# Altium PCB BW1098OAK.PcbDoc (part 3 of 3) (continued)
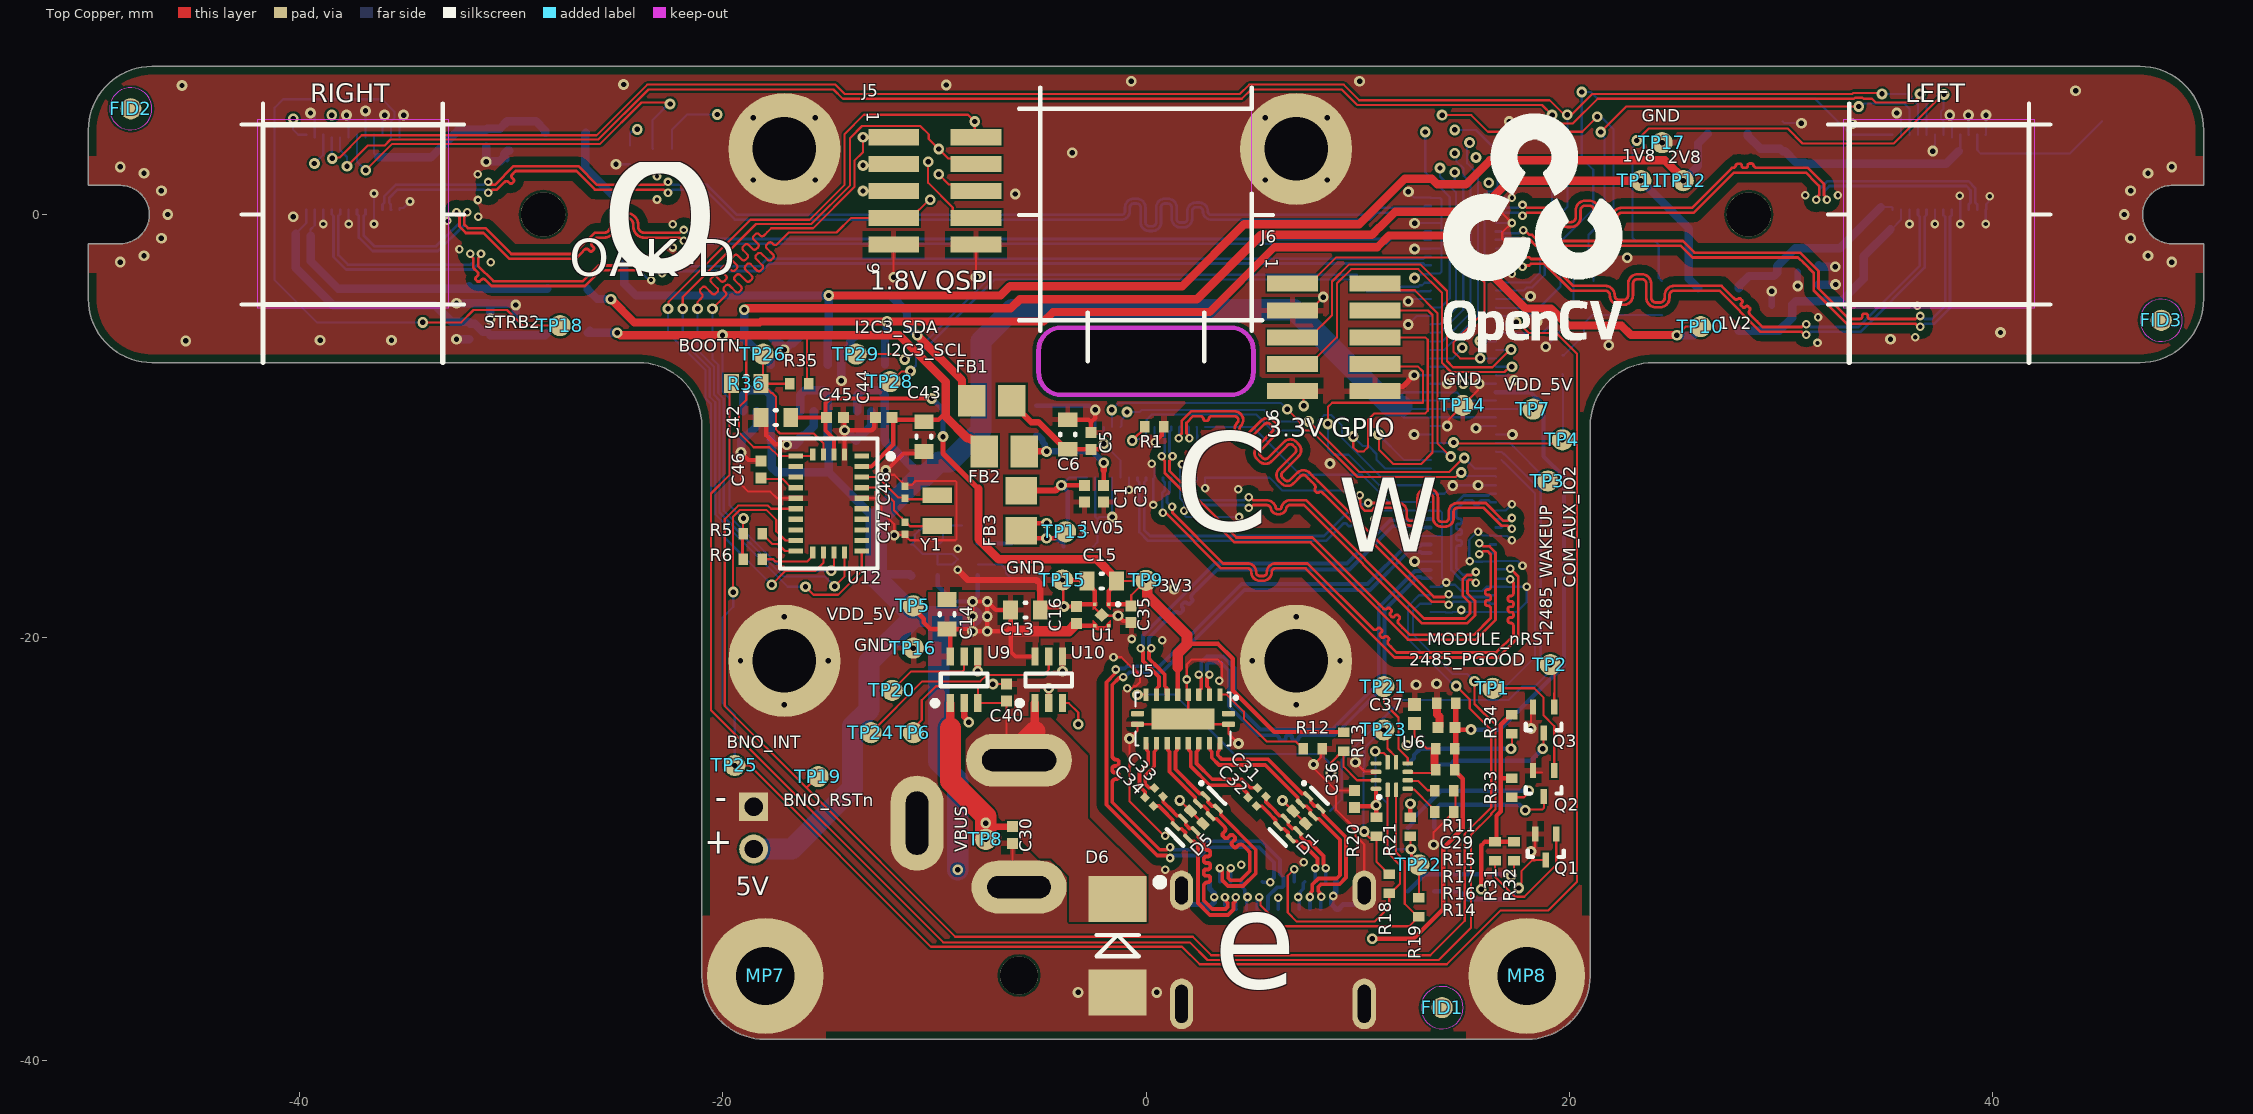
[diagram p0: Top Copper view]
## Nets (pads, with @x,y where several pads share a name; then routed paths per layer and width w, separated by ;. In a path a pad name is that pad's centre, name@x,y a point inside that pad or via, vN(x,y) a via of type N, cw(c..) or ccw(c..) an arc to the next point about the centre after c; other vN are vias at no path point) (continued)
TXB1_N: C32.2 U5.16 | length 4.6
  Top Copper w0.178: U5.16@2,-25 2.036,-25.036 2.036,-25.324 2.11,-25.398 2.11,-26.078 3.016,-26.983 4.412,-26.983 4.805,-27.376 4.805,-27.554 C32.2@4.819,-27.568
TXB1_P: C31.2 U5.17 | length 4.4
  Top Copper w0.178: U5.17@2.5,-25 2.464,-25.036 2.464,-25.324 2.39,-25.398 2.39,-25.962 3.131,-26.704 4.53,-26.704 4.933,-27.106 5.152,-27.106 5.155,-27.104 5.255,-27.104 C31.2@5.269,-27.118
TXB_N: C32.1 D1.5 D1.6 J10.A3 | length 5.3
  Top Copper w0.178: C32.1@5.215,-27.964 5.23,-27.978 5.33,-27.978 5.332,-27.976 5.48,-27.976 5.851,-28.347 5.851,-28.359 6.119,-28.627 6.119,-28.783 6.377,-29.041 6.523,-29.041 6.528,-29.036 6.714,-29.222 6.709,-29.227 6.709,-29.373 6.967,-29.631 7.123,-29.631 7.443,-29.951 7.612,-29.951 8.11,-30.449 8.11,-30.724 7.996,-30.838 v2(7.996,-30.9)
  Bottom Layer w0.178: v2(7.996,-30.9) 8,-30.904 J10.A3@8,-31.55
TXB_P: C31.1 D1.4 D1.7 J10.A2 | length 5.5
  Top Copper w0.178: C31.1@5.665,-27.514 5.68,-27.528 5.68,-27.629 5.677,-27.631 5.677,-27.778 6.13,-28.231 6.13,-28.243 6.316,-28.429 6.472,-28.429 6.73,-28.687 6.73,-28.833 6.725,-28.838 6.912,-29.025 6.917,-29.02 7.063,-29.02 7.321,-29.278 7.321,-29.434 7.559,-29.672 7.728,-29.672 8.39,-30.333 8.39,-30.724 8.504,-30.838 v2(8.504,-30.9)
  Bottom Layer w0.178: J10.A2@8.5,-31.55 8.5,-30.904 v2(8.504,-30.9)
TXC1_N: C34.2 U5.12 | length 2.9
  Top Copper w0.178: C34.2@-0.039,-27.56 -0.053,-27.545 -0.053,-27.445 -0.051,-27.443 -0.051,-27.295 -0.311,-27.036 -0.311,-26.393 0.11,-25.972 0.11,-25.398 0.036,-25.324 0.036,-25.036 U5.12@0,-25
TXC1_P: C33.2 U5.13 | length 2.7
  Top Copper w0.178: C33.2@0.411,-27.11 0.397,-27.095 0.296,-27.095 0.294,-27.098 0.147,-27.098 -0.031,-26.92 -0.031,-26.509 0.39,-26.088 0.39,-25.398 0.464,-25.324 0.464,-25.036 U5.13@0.5,-25
TXC_N: C34.1 D5.5 D5.6 J10.B3 | length 9.1
  Top Copper w0.178: C34.1@0.357,-27.956 0.371,-27.97 0.472,-27.97 0.474,-27.967 0.621,-27.967 0.996,-28.343 0.996,-28.355 1.269,-28.627 1.269,-28.783 1.527,-29.041 1.673,-29.041 1.678,-29.036 1.864,-29.222 1.859,-29.227 1.859,-29.373 2.117,-29.631 2.273,-29.631 2.454,-29.813 2.454,-32.555 3.019,-33.119 3.872,-33.119 4.14,-32.851 4.14,-32.541 4.206,-32.474 4.206,-32.31 4.233,-32.283 v2(4.242,-32.283)
  Bottom Layer w0.178: v2(4.242,-32.283) 4.242,-32.722 4.182,-32.782 J10.B3@4.25,-32.85
TXC_P: C33.1 D5.4 D5.7 J10.B2 | length 9.7
  Top Copper w0.178: C33.1@0.807,-27.506 0.821,-27.52 0.821,-27.62 0.819,-27.623 0.819,-27.77 1.276,-28.227 1.276,-28.239 1.466,-28.429 1.622,-28.429 1.88,-28.687 1.88,-28.833 1.875,-28.838 2.062,-29.025 2.067,-29.02 2.213,-29.02 2.471,-29.278 2.471,-29.434 2.734,-29.697 2.734,-29.78 2.734,-29.869 ccw(c2.912,-29.869) 2.912,-30.047 2.929,-30.047 cw(c2.929,-30.153) 3.036,-30.153 3.036,-30.245 cw(c2.929,-30.245) 2.929,-30.352 2.841,-30.352 ccw(c2.841,-30.458) 2.734,-30.458 2.734,-30.55 ccw(c2.841,-30.55) 2.841,-30.656 2.929,-30.656 cw(c2.929,-30.763) 3.036,-30.763 3.036,-30.854 cw(c2.929,-30.854) 2.929,-30.961 2.841,-30.961 ccw(c2.841,-31.068) 2.734,-31.068 2.734,-31.159 ccw(c2.841,-31.159) 2.841,-31.266 2.929,-31.266 cw(c2.929,-31.373) 3.036,-31.373 3.036,-31.464 cw(c2.929,-31.464) 2.929,-31.571 2.912,-31.571 ccw(c2.912,-31.749) 2.734,-31.749 2.734,-32.178 2.734,-32.439 3.134,-32.84 3.756,-32.84 3.86,-32.736 3.86,-32.541 3.794,-32.474 3.794,-32.449 3.79,-32.445 3.79,-32.306 v2@3.768,-32.283 ; v2(3.734,-32.283) v2@3.768,-32.283 ; v2@3.768,-32.283 3.78,-32.271 v2@3.768,-32.283
  Bottom Layer w0.178: v2(3.734,-32.283) 3.734,-32.64 3.818,-32.725 3.722,-32.822 J10.B2@3.75,-32.85
USB_CM: R14.1 U6.3 | length 1.8
  Top Copper w0.102: U6.3@12.375,-27.15 12.411,-27.186 12.677,-27.186 13.488,-27.998 13.488,-28.088 R14.1@13.65,-28.25
USB_D_N: J1.18 J10.A7 J10.B7 | length 36.2
  Top Copper w0.178: v2(-1.431,-21.512) -1.475,-21.556 -1.475,-21.716 -1.873,-22.114 -1.873,-27.907 0.531,-30.311 0.963,-30.311 1.077,-30.424 v2(1.139,-30.424)
  Layer 1 w0.381: v2(5.87,-31.57) 5.87,-31.925 v2(6.25,-32.305)
  Bottom Layer w0.178: v2(-1.431,-21.512) -1.387,-21.468 -1.004,-21.468 -0.895,-21.359 0.641,-21.359 4.529,-17.471 10.476,-17.471 12.286,-15.66 12.983,-15.66 13.042,-15.601 J1.18@13.46,-15.6 J1.18@13.46,-15.6 ; v2(1.139,-30.424) 1.201,-30.424 1.314,-30.311 2.57,-30.311 2.967,-29.914 5.343,-29.914 6.051,-30.621 6.051,-31.352 5.87,-31.533 v2(5.87,-31.57) 5.52,-31.57 J10.A7@5.5,-31.55 ; J10.B7@6.25,-32.85 v2(6.25,-32.305)
USB_D_P: J1.16 J10.A6 J10.B6 | length 36.4
  Top Copper w0.178: v2(-1.073,-21.87) -1.117,-21.914 -1.277,-21.914 -1.593,-22.23 -1.593,-24.933 -1.593,-25.595 ccw(c-1.416,-25.595) -1.416,-25.773 -1.397,-25.773 cw(c-1.397,-25.88) -1.29,-25.88 -1.29,-25.971 cw(c-1.397,-25.971) -1.397,-26.078 -1.487,-26.078 ccw(c-1.487,-26.185) -1.593,-26.185 -1.593,-26.276 ccw(c-1.487,-26.276) -1.487,-26.383 -1.397,-26.383 cw(c-1.397,-26.49) -1.29,-26.49 -1.29,-26.581 cw(c-1.397,-26.581) -1.397,-26.688 -1.416,-26.688 ccw(c-1.416,-26.865) -1.593,-26.865 -1.593,-27.259 -1.593,-27.791 0.647,-30.031 0.963,-30.031 1.077,-29.918 v2(1.139,-29.918)
  Bottom Layer w0.178: v2(-1.073,-21.87) -1.011,-21.87 -0.779,-21.638 0.757,-21.638 4.645,-17.75 10.592,-17.75 12.402,-15.94 12.983,-15.94 13.042,-15.999 J1.16@13.46,-16 J1.16@13.46,-16 ; v2(1.139,-29.918) 1.201,-29.918 1.314,-30.031 2.454,-30.031 2.851,-29.634 5.459,-29.634 6.33,-30.506 6.33,-31.185 6.435,-31.289 6.439,-31.289 6.5,-31.35 6.5,-31.75 6.439,-31.811 6.189,-31.811 5.767,-32.233 5.767,-32.833 J10.B6@5.75,-32.85
USB_FLT: TP21.1 U6.6 | length 4.1
  Top Copper w0.102: TP21.1@11.248,-22.32 11.248,-23.086 11.94,-23.777 11.94,-25.263 12.177,-25.5 12.375,-25.697 U6.6@12.375,-25.95
USB_PORT: R16.1 U6.4 | length 1.5
  Top Copper w0.102: U6.4@12.375,-26.75 12.411,-26.786 12.878,-26.786 13.309,-27.218 13.618,-27.218 R16.1@13.65,-27.25
USB_RX_N: J1.12 U5.4 | length 20.3
  Top Copper w0.178: v2(2.494,-21.75) 2.494,-21.812 2.607,-21.925 2.607,-22.418 2.5,-22.525 U5.4@2.5,-22.7
  Bottom Layer w0.178: v2(2.494,-21.75) 2.494,-21.688 2.607,-21.575 2.607,-21.164 2.875,-20.897 3.649,-20.897 4.19,-21.438 4.19,-23.115 5.418,-24.343 8.809,-24.343 11,-22.152 11,-18.58 12.72,-16.86 12.983,-16.86 13.042,-16.801 13.459,-16.801 J1.12@13.46,-16.8
USB_RX_P: J1.10 U5.3 | length 20.3
  Top Copper w0.178: U5.3@3,-22.7 2.964,-22.664 2.964,-22.376 2.887,-22.299 2.887,-21.925 3,-21.812 v2(3,-21.75)
  Bottom Layer w0.178: v2(3,-21.75) 3,-21.688 2.887,-21.575 2.887,-21.28 2.991,-21.176 3.533,-21.176 3.911,-21.554 3.911,-23.23 5.303,-24.622 5.728,-24.622 6.124,-24.622 cw(c6.124,-24.804) 6.299,-24.755 ccw(c6.406,-24.755) 6.406,-24.861 6.497,-24.861 ccw(c6.497,-24.755) 6.604,-24.755 6.604,-24.729 cw(c6.711,-24.729) 6.711,-24.622 6.802,-24.622 cw(c6.802,-24.729) 6.909,-24.729 6.909,-24.755 ccw(c7.016,-24.755) 7.016,-24.861 7.107,-24.861 ccw(c7.107,-24.755) 7.214,-24.755 cw(c7.389,-24.804) 7.39,-24.622 8.649,-24.622 8.925,-24.622 11.279,-22.268 11.279,-18.696 12.835,-17.14 12.983,-17.14 13.042,-17.199 13.459,-17.199 J1.10@13.46,-17.2
USB_TX_N: J1.24 U5.8 | length 19.1
  Top Copper w0.178: v2(-0.256,-20.5) -0.256,-20.562 -0.143,-20.675 -0.143,-21.107 0.61,-21.86 0.61,-22.302 0.536,-22.376 0.536,-22.664 U5.8@0.5,-22.7
  Bottom Layer w0.178: v2(-0.256,-20.5) -0.256,-20.438 -0.143,-20.325 -0.143,-19.893 3.25,-16.5 9.5,-16.5 11.54,-14.46 12.983,-14.46 13.042,-14.401 J1.24@13.46,-14.4 J1.24@13.46,-14.4
USB_TX_P: J1.22 U5.7 | length 19.2
  Top Copper w0.178: v2(0.25,-20.5) 0.25,-20.562 0.136,-20.675 0.136,-20.991 0.272,-21.127 0.448,-21.302 0.89,-21.745 0.89,-22.302 0.964,-22.376 0.964,-22.664 U5.7@1,-22.7
  Bottom Layer w0.178: v2(0.25,-20.5) 0.25,-20.438 0.136,-20.325 0.136,-20.009 1.021,-19.124 1.301,-18.844 cw(c1.43,-18.972) 1.509,-18.808 1.517,-18.812 ; 1.518,-18.812 ccw(c1.593,-18.737) 1.668,-18.812 1.733,-18.748 ccw(c1.658,-18.672) 1.733,-18.597 1.716,-18.58 cw(c1.791,-18.505) 1.716,-18.429 1.781,-18.364 cw(c1.856,-18.44) 1.932,-18.364 1.949,-18.381 ccw(c2.024,-18.306) 2.099,-18.381 2.164,-18.317 ccw(c2.089,-18.241) 2.164,-18.166 cw(c2.324,-18.079) 2.195,-17.95 2.33,-17.815 2.393,-17.752 3.366,-16.779 9.616,-16.779 11.655,-14.74 12.983,-14.74 13.042,-14.799 J1.22@13.46,-14.8 J1.22@13.46,-14.8
VBUS: C29.2 C30.2 J1.53 J10.A4 J10.A9 J10.B4 J10.B9 R11.2 R15.1 R17.1 TP8.1 U9.1 U10.3 | length 80.4
  Top Copper w0.102: U10.3@-3.95,-23.1 -3.645,-23.1 -3.2,-23.545 v1(-3.2,-24.1)
  Top Copper w0.203: v1(10.7,-34.241) 12.644,-34.241 14.053,-32.832 14.053,-29.944 14.977,-29.021 14.977,-26.676 14.6,-26.3 R17.1@14.6,-26.25 ; C29.2@14.65,-24.3 14.703,-24.353 v1(15.368,-24.353)
  Top Copper w0.254: R17.1@14.6,-26.25 14.65,-26.2 R15.1@14.65,-25.25 ; R15.1@14.6,-25.25 R15.1@14.65,-25.25 ; C29.2@14.6,-24.25 C29.2@14.65,-24.25 ; R11.2@14.65,-23.1 C29.2@14.65,-24.25 ; R15.1@14.65,-25.25 14.65,-24.3 C29.2@14.65,-24.25
  Top Copper w0.3: v1(-7.574,-28.773) -7.518,-28.773 -7.35,-28.94 C30.2@-6.573,-28.94
  Top Copper w0.4: -9.25,-24.275 U9.1@-9.25,-23.1
  Top Copper w1: -9.25,-24.275 -9.25,-26.791 -7.574,-28.467 v1(-7.574,-28.773) v1(-7.574,-29.542)
  Layer 1 w0.102: -4.269,-29.542 -3.2,-28.473 v1(-3.2,-24.1)
  Layer 1 w0.3: 4.801,-33.931 v2(4.801,-32.266) ; 7.199,-33.931 v2(7.199,-32.266) ; 9.557,-33.914 9.884,-34.241 v1(10.7,-34.241)
  Layer 1 w1: v1(-7.574,-28.773) v1(-7.574,-29.542) -4.269,-29.542 0.12,-33.931 4.801,-33.931 7.199,-33.931 9.573,-33.931 ; 7.903,-33.914 9.557,-33.914
  Bottom Layer w0.152: J10.A9@4.574,-31.624 J10.A9@4.5,-31.55 4.5,-31.75 4.574,-31.824 4.579,-31.824 4.668,-31.913 4.668,-32.115 4.75,-32.197 J10.B4@4.75,-32.85 J10.B4@4.752,-32.852
  Bottom Layer w0.158: J10.B9@7.25,-32.85 7.25,-32.266 7.298,-32.218 7.298,-32.008 7.429,-31.876 7.429,-31.621 J10.A4@7.5,-31.55
  Bottom Layer w0.203: v1(15.368,-24.353) 16.722,-24.353 19.762,-21.313 19.762,-12.399 18.797,-11.434 18.797,-9.011 18.186,-8.4 J1.53@16.54,-8.4
VBUS_DET: C37.2 R15.2 R17.2 U6.5 | length 4.3
  Top Copper w0.102: U6.5@12.375,-26.35 12.411,-26.386 12.622,-26.386 12.636,-26.4 13.6,-26.4 13.65,-26.35 R17.2@13.65,-26.25 ; C37.2@12.696,-24.073 12.696,-24.673 13.274,-25.25 R15.2@13.7,-25.25
  Top Copper w0.381: R17.2@13.65,-26.25 R15.2@13.65,-25.25
VDD_5V: C13.2 C14.2 C16.2 C17.2 C19.2 C21.2 C36.2 C38.2 J1.47 J1.48 J1.49 J1.50 J1.51 J1.52 J1.54 J8.P2 R20.2 R21.2 R31.2 R32.2 R33.2 R34.2 TP5.1 TP7.1 U1.3 U1.4 U2.1 U2.3 U3.1 U3.3 U4.1 U4.8 U6.12 U8.1 U8.3 U9.6 U10.6 | length 187
  Top Copper w0.102: C16.2@-3.295,-19.335 C16.2@-3.185,-19.445
  Top Copper w0.203: TP5.1@-11,-18.5 -10.937,-18.563 -10.937,-18.683 -10.506,-19.115 -10.506,-19.293 -10.199,-19.6 C14.2@-9.4,-19.6 ; U9.6@-9.25,-20.9 -9.25,-19.75 C14.2@-9.4,-19.6 ; U10.6@-5.25,-20.9 -6.165,-20.9 -6.4,-20.665 -6.4,-19.7 ; C16.2@-3.185,-19.445 U1.3@-2.425,-19.445 -2.421,-19.445 -2.332,-19.535 ; -2.306,-19.561 -1.881,-19.561 U1.4@-1.765,-19.445 ; C36.2@9.851,-28.039 9.907,-27.982 10.836,-27.982 10.875,-28.02 U6.12@10.875,-27.15 ; v1(10.88,-27.925) 10.89,-27.935 10.89,-28.49 R20.2@10.9,-28.5 ; R21.2@12.5,-28.5 v1@12.5,-27.965 ; v1(15.856,-31.896) 15.856,-29.826 16.032,-29.65 R31.2@16.5,-29.65 16.574,-29.576 16.574,-28.422 16.775,-28.221 16.775,-26.65 ; R31.2@16.546,-29.65 R32.2@17.4,-29.65 ; R33.2@17.3,-26.65 16.775,-26.65 ; R34.2@17.3,-23.65 17.25,-23.65 16.775,-24.125 16.775,-26.65 ; C14.2@-9.4,-19.6 v1@-8.2,-19.6 ; v1@-8.2,-19.6 v1(-8.2,-19.7) v1(-7.5,-19.7) ; v1@-8.2,-19.6 v1(-8.2,-19) v1(-8.2,-18.3) v1(-7.5,-18.3) ; v1(-7.5,-19.7) -6.4,-19.7 ; v1(-7.5,-19.7) v1(-7.5,-19) v1(-7.5,-18.3) ; v1(-7.5,-18.3) -7.1,-18.7 C13.2@-6.4,-18.7 -6.4,-19.7
  Top Copper w0.5: -6.4,-19.7 -3.66,-19.7 C16.2@-3.295,-19.335
  Layer 1 w0.254: v1(-8.899,-30.984) -8.899,-33.052 -8.027,-33.923 -4.444,-33.923 -3.238,-35.129 10.916,-35.129 11.589,-34.457 11.589,-31.896 ; v1@10.907,-28.022 11.007,-28.121 11.007,-28.149 11.589,-28.731 ; v1@12.5,-27.965 12.435,-27.965 11.669,-28.731 11.589,-28.731 ; v1(15.856,-31.896) 11.589,-31.896 ; 11.589,-31.896 11.589,-28.731
  Bottom Layer w0.102: 12.174,-9.2 J1.50@13.46,-9.2 14.8,-9.2 ; 12.174,-8.8 J1.52@13.46,-8.8 14.4,-8.8 14.8,-9.2 ; J1.47@16.54,-9.6 16.524,-9.584 13.476,-9.584 J1.48@13.46,-9.6 12.2,-9.6 12.1,-9.5 12.1,-9.048 12.1,-8.5 12.2,-8.4 J1.54@13.46,-8.4 13.479,-8.419 14.719,-8.419 15.1,-8.8 J1.51@16.54,-8.8 ; v1(18.3,-9.2) J1.49@16.54,-9.2 14.8,-9.2
  Bottom Layer w0.203: U4.1@-9.85,-17.05 -9.85,-17.55 -9.1,-18.3 v1(-8.2,-18.3) -8.2,-18.279 -7.95,-18.029 U4.8@-7.95,-17.05
  Bottom Layer w0.4: U2.3@-19.05,-9.3 -19.05,-8.534 -18.816,-8.3 -17.984,-8.3 -17.75,-8.534 U2.1@-17.75,-9.3 -17.75,-10.65 C19.2@-17.7,-10.7 -17.7,-11.947 -17.466,-12.182 -15.018,-12.182 ; U3.3@-16.35,-9.3 -16.35,-8.534 -16.116,-8.3 -15.284,-8.3 -15.05,-8.534 U3.1@-15.05,-9.3 -15.05,-10.65 C38.2@-15,-10.7 -15,-12.163 -15.018,-12.182 ; U8.3@-13.65,-9.3 -13.65,-8.534 -13.416,-8.3 -12.584,-8.3 -12.35,-8.534 U8.1@-12.35,-9.3 -12.35,-10.65 C17.2@-12.3,-10.7 -12.3,-10.8 -12.15,-10.95 -12.05,-10.95 -10.626,-12.374 -10.474,-12.374 ; -12.754,-14.446 -15.018,-12.182 ; -12.65,-17.303 -12.347,-17 -11.176,-17 C21.2@-11.1,-17.076
  Bottom Layer w1: J8.P2@-18.55,-30 -16.75,-30 -13.87,-27.12 -13.87,-24.192 -13.095,-23.417 -13.095,-21.143 -10.953,-19 ; -12.768,-14.432 -10.668,-12.332 ; -12.754,-14.446 -12.754,-17.199 -12.65,-17.303 -10.953,-19 ; -10.474,-12.374 -9.794,-11.694 -9.291,-11.694 -7.8,-10.203 -7.8,-5.972 -6.328,-4.5 7,-4.5 11.548,-9.048 12.1,-9.048 ; v1(-8.899,-30.984) -8.9,-30.982 -8.9,-26.766 -9.8,-25.866 -9.8,-19.2 -9.6,-19 ; v1(-8.2,-19) -9.6,-19 ; -10.953,-19 -9.6,-19
  other v1: 12.5,-27.865
XIN: C48.2 U12.27 Y1.1 | length 4.1
  Top Copper w0.102: U12.27@-13.437,-12.412 -12.687,-12.413 -11.726,-13.374 -11.486,-13.374 -11.4,-13.46 -10.06,-13.46 Y1.1@-9.875,-13.275
XOUT: C47.2 U12.26 Y1.2 | length 4.6
  Top Copper w0.102: U12.26@-13.437,-12.912 -12.588,-12.912 -11.907,-13.593 -11.907,-13.993 -11.566,-14.333 -11.546,-14.333 -11.254,-14.626 -11.254,-14.666 -11.234,-14.666 -11.165,-14.735 Y1.2@-9.875,-14.735
pads on no net: FID1.1 FID2.1 FID3.1 FID4.1 FID5.1 FID6.1 J2.16 J2.21 J2.22 J7. J10.A8 J10.B8 U2.4 U3.4 U4.6 U5.1 U5.10 U6.9 U8.4 U12.1 U12.7 U12.8 U12.12 U12.13 U12.21 U12.22 U12.23 U12.24

## Polygon pours and split planes (outlines as drawn)
GND on Top Copper "GND_L01_P110" (solid, remove dead copper, pour order 110): -21,-10 ccw(c-24,-10) -24,-7 -47,-7 cw(c-47,-4) -50,-4 -50,4 cw(c-47,4) -47,7 47,7 cw(c47,4) 50,4 50,-4 cw(c47,-4) 47,-7 24,-7 ccw(c24,-10) 21,-10 21,-36 cw(c18,-36) 18,-39 -18,-39 cw(c-18,-36) -21,-36
GND on Top Copper "edge_gnd_11" (solid, remove dead copper, pour order 103): 50,1.375 48.5,1.375 ccw(c48.5,0) 47.125,0 ccw(c48.5,0) 48.5,-1.375 50,-1.375 50,-2.75 48.5,-2.75 cw(c48.5,0) 45.75,0 45.75,0.125 cw(c48.375,0.125) 48.375,2.75 50,2.75
GND on Top Copper "edge_gnd_10" (solid, remove dead copper, pour order 104): -50,1.375 -48.5,1.375 cw(c-48.5,0) -47.125,0 cw(c-48.5,0) -48.5,-1.375 -50,-1.375 -50,-2.75 -48.5,-2.75 ccw(c-48.5,0) -45.75,0 -45.75,0.125 ccw(c-48.375,0.125) -48.375,2.75 -50,2.75
GND on Top Copper "edge_gnd_2" (solid, remove dead copper, pour order 108): 21,-33.15 17.997,-33.15 ccw(c17.997,-35.997) 15.15,-35.997 15.15,-39 18.032,-39 ccw(c18.032,-36.032) 21,-36.032
GND on Top Copper "edge_gnd_1" (solid, remove dead copper, pour order 107): -21,-33.15 -17.997,-33.15 cw(c-17.997,-35.997) -15.15,-35.997 -15.15,-39 -18.032,-39 cw(c-18.032,-36.032) -21,-36.032
NetC40_2 on Top Copper "5V_IN" (solid, remove dead copper, pour order 109): -5.056,-30.438 -8.523,-26.95 -8.523,-24.827 -8.496,-24.796 -7.5,-23.8 -4.5,-23.8 -3.5,-24.8 -3.5,-24.809 -2.745,-25.58 -2.745,-28.539 0.025,-31.309 0.025,-33.439 -3.632,-33.439 -3.632,-31.279 -4.473,-30.438
VDD_5V on Top Copper "VDD_5V" (solid, remove dead copper, pour order 106): -5.075,-21.325 -5.075,-17.85 -10.3,-17.85 -10.3,-21.325
GND on Bottom Layer "GND_L04_P119" (solid, remove dead copper, pour order 119): -21,-10 ccw(c-24,-10) -24,-7 -47,-7 cw(c-47,-4) -50,-4 -50,4 cw(c-47,4) -47,7 47,7 cw(c47,4) 50,4 50,-4 cw(c47,-4) 47,-7 24,-7 ccw(c24,-10) 21,-10 21,-36 cw(c18,-36) 18,-39 -18,-39 cw(c-18,-36) -21,-36
VDD_5V on Bottom Layer "VDD_5V_L04_P118" (solid, remove dead copper, pour order 118): -10.155,-21.524 -14.557,-17.122 -18.05,-17.122 -18.05,-10.25 -14.93,-10.25 -8.031,-3.351 7.168,-3.351 12.127,-8.31 15.79,-8.31 16.19,-8.71 16.89,-8.71 16.89,-9.69 9.249,-9.69 5.272,-5.713 -4.52,-5.713 -4.52,-21.524
GND on Bottom Layer "edge_gnd_12" (solid, remove dead copper, pour order 115): 50,1.375 48.5,1.375 ccw(c48.5,0) 47.125,0 ccw(c48.5,0) 48.5,-1.375 50,-1.375 50,-2.75 48.5,-2.75 cw(c48.5,0) 45.75,0 45.75,0.125 cw(c48.375,0.125) 48.375,2.75 50,2.75
GND on Bottom Layer "edge_gnd_11" (solid, remove dead copper, pour order 114): -50,1.375 -48.5,1.375 cw(c-48.5,0) -47.125,0 cw(c-48.5,0) -48.5,-1.375 -50,-1.375 -50,-2.75 -48.5,-2.75 ccw(c-48.5,0) -45.75,0 -45.75,0.125 ccw(c-48.375,0.125) -48.375,2.75 -50,2.75
GND on Bottom Layer "edge_gnd_4" (solid, remove dead copper, pour order 117): 21,-33.15 17.997,-33.15 ccw(c17.997,-35.997) 15.15,-35.997 15.15,-39 18.032,-39 ccw(c18.032,-36.032) 21,-36.032
GND on Bottom Layer "edge_gnd_3" (solid, remove dead copper, pour order 116): -21,-33.15 -17.997,-33.15 cw(c-17.997,-35.997) -15.15,-35.997 -15.15,-39 -18.032,-39 cw(c-18.032,-36.032) -21,-36.032
GND on Layer 1 "GND_L03_P113" (solid, remove dead copper, pour order 113): -21,-10 ccw(c-24,-10) -24,-7 -47,-7 cw(c-47,-4) -50,-4 -50,4 cw(c-47,4) -47,7 47,7 cw(c47,4) 50,4 50,-4 cw(c47,-4) 47,-7 24,-7 ccw(c24,-10) 21,-10 21,-36 cw(c18,-36) 18,-39 -18,-39 cw(c-18,-36) -21,-36
VBUS on Layer 1 "VBUS" (solid, remove dead copper, pour order 112): 1.333,-32.841 -0.207,-31.28 -0.207,-27.919 -8.122,-27.919 -8.122,-30.471 -4.372,-30.471 -3.603,-31.24 -3.603,-34.191 -2.669,-35.125 10.41,-35.125 10.41,-32.842
GND on Signal Layer 1 "GND_L02_P111" (solid, remove dead copper, pour order 111): -21,-10 ccw(c-24,-10) -24,-7 -47,-7 cw(c-47,-4) -50,-4 -50,4 cw(c-47,4) -47,7 47,7 cw(c47,4) 50,4 50,-4 cw(c47,-4) 47,-7 24,-7 ccw(c24,-10) 21,-10 21,-36 cw(c18,-36) 18,-39 -18,-39 cw(c-18,-36) -21,-36

## Silkscreen, mask and mechanical layers (free items; w line width, h text height)
Top Overlay:
  drawing of 34 lines, arcs and shapes, not listed
  text "RIGHT" at -39.526,5 h1.5
  text "LEFT" at 35.888,5 h1.5
  text "GND" at 23.444,4.165 h1
  text "1V8" at 22.516,2.284 h1
  text "2V8" at 24.661,2.22 h1
  text "OAK-D" at -27.275,-3.507 h3
  text "1.8V QSPI" at -13.057,-3.869 h1.5
  text "o" at -20.08,-5.487 h15
  text "STRB2" at -31.298,-5.581 h1
  text "1V2" at 27.067,-5.647 h1
  text "I2C3_SDA" at -13.771,-5.814 h1
  text "BOOTN" at -22.1,-6.693 h1
  text "I2C3_SCL" at -12.27,-6.914 h1
  text "GND" at 14.049,-8.285 h1
  text "VDD_5V" at 16.927,-8.543 h1
  text "3.3V GPIO" at 5.684,-10.822 h1.5
  text "1V05" at -3.121,-15.297 h1
  text "C" at 1.335,-16.499 h8
  text "W" at 9.092,-17.109 h6
  text "GND" at -6.6,-17.2 h1
  text "COM_AUX_IO2" at 20.529,-17.643 h1 r90
  text "3V3" at 0.633,-18.058 h1
  text "VDD_5V" at -15.1,-19.4 h1
  text "2485_WAKEUP" at 19.423,-19.672 h1 r90
  text "MODULE_nRST" at 13.294,-20.579 h1
  text "GND" at -13.795,-20.85 h1
  text "2485_PGOOD" at 12.439,-21.551 h1
  text "BNO_INT" at -19.815,-25.448 h1
  text "BNO_RSTn" at -17.149,-28.194 h1
  text "-" at -19.8,-28.5 h2
  text "VBUS" at -8.229,-30.16 h1 r90
  text "+" at -19.528,-30.634 h2
  text "5V" at -19.4,-32.5 h1.5
  text "e" at 3.178,-38.122 h8
Bottom Overlay:
  circle w0.1: c28.5,0 r2.4
  circle w0.1: c-28.5,0 r2.4
  text "RIGHT" at -35.474,5 h1.5
  text "LEFT" at 39.112,5 h1.5
  text ".project_title  / .revision1" at 19.3,-24.622 h1.5 r90
  text "-" at -15.385,-24.765 h2 r90
  text "RST" at 9,-26.1 h1.5
  text "RUN" at 14.43,-27.975 h1.5
  text "PG" at 13.9,-31 h1.5
  text "+" at -15.757,-33.535 h2
  text "5V" at 13.879,-33.82 h1.5
Top Mask:
  region: 50,1.375 48.5,1.375 ccw(c48.5,0) 47.125,0 ccw(c48.5,0) 48.5,-1.375 50,-1.375 50,-3 48.497,-3 cw(c48.497,-0.003) 45.5,-0.003 45.5,0.003 cw(c48.497,0.003) 48.497,3 50,3
  region: -50,1.375 -48.5,1.375 cw(c-48.5,0) -47.125,0 cw(c-48.5,0) -48.5,-1.375 -50,-1.375 -50,-3 -48.497,-3 ccw(c-48.497,-0.003) -45.5,-0.003 -45.5,0.003 ccw(c-48.497,0.003) -48.497,3 -50,3
  region: -17.997,-33.15 cw(c-17.997,-35.997) -15.15,-35.997 -15.15,-39 -18,-39 cw(c-18,-36) -21,-36 -21,-33.15
  region: 17.997,-33.15 ccw(c17.997,-35.997) 15.15,-35.997 15.15,-39 18,-39 ccw(c18,-36) 21,-36 21,-33.15
  region: -15.5,-39 -15.5,-36.04 ccw(c-18.04,-36.04) -18.04,-33.5 -21,-33.5 -21,-36 ccw(c-18,-36) -18,-39
  lines w0.1: 18,-36 18,-33.7
Bottom Solder:
  region: 50,1.375 48.5,1.375 ccw(c48.5,0) 47.125,0 ccw(c48.5,0) 48.5,-1.375 50,-1.375 50,-3 48.497,-3 cw(c48.497,-0.003) 45.5,-0.003 45.5,0.003 cw(c48.497,0.003) 48.497,3 50,3
  region: -50,1.375 -48.5,1.375 cw(c-48.5,0) -47.125,0 cw(c-48.5,0) -48.5,-1.375 -50,-1.375 -50,-3 -48.497,-3 ccw(c-48.497,-0.003) -45.5,-0.003 -45.5,0.003 ccw(c-48.497,0.003) -48.497,3 -50,3
  region: 17.997,-33.15 ccw(c17.997,-35.997) 15.15,-35.997 15.15,-39 18,-39 ccw(c18,-36) 21,-36 21,-33.15
  region: -17.997,-33.15 cw(c-17.997,-35.997) -15.15,-35.997 -15.15,-39 -18,-39 cw(c-18,-36) -21,-36 -21,-33.15
Board:
  the board outline again, w0.1
Drill Drawing:
  drawing of 275 lines, arcs and shapes, not listed
  text "Layer" at 8.667,35.315 h1
  text "Name" at 12.851,35.315 h1
  text "Material" at 20.938,35.315 h1
  text "Thickness" at 28.205,35.315 h1
  text "Constant" at 34.175,35.315 h1
  text "Board Layer Stack" at 39.701,35.315 h1
  text "Symbol" at -46.648,34.573 h1.2
  text "Count" at -41.949,34.573 h1.2
  text "Hole Size" at -37.054,34.573 h1.2
  text "Plated" at -27.497,34.573 h1.2
  text "Hole Type" at -23.371,34.573 h1.2
  text "Drill Layer Pair" at -17.366,34.573 h1.2
  text "Top Overlay" at 12.851,33.315 h1
  text "1" at -41.949,32.503 h1
  text "70,87mil (1,800mm)" at -37.054,32.503 h1
  text "NPTH" at -27.497,32.503 h1
  text "Round" at -23.371,32.503 h1
  text "Top Copper - Bottom Layer" at -17.366,32.503 h1
  text "Top Mask" at 12.851,31.315 h1
  text "Solder Resist" at 20.938,31.315 h1
  text "0,71mil" at 28.205,31.315 h1
  text "4.2" at 34.175,31.315 h1
  text "2" at -41.949,30.433 h1
  text "33,86mil (0,860mm)" at -37.054,30.433 h1
  text "PTH" at -27.497,30.433 h1
  text "Round" at -23.371,30.433 h1
  text "Top Copper - Bottom Layer" at -17.366,30.433 h1
  text "1" at 8.667,29.315 h1
  text "Top Copper" at 12.851,29.315 h1
  text "1,40mil" at 28.205,29.315 h1
  text "2" at -41.949,28.363 h1
  text "82,68mil (2,100mm)" at -37.054,28.363 h1
  text "NPTH" at -27.497,28.363 h1
  text "Round" at -23.371,28.363 h1
  text "Top Copper - Bottom Layer" at -17.366,28.363 h1
  text "Dielectric 1" at 12.851,27.315 h1
  text "PP-021" at 20.938,27.315 h1
  text "7,09mil" at 28.205,27.315 h1
  text "4.2" at 34.175,27.315 h1
  text "2" at -41.949,26.293 h1
  text "108,27mil (2,750mm)" at -37.054,26.293 h1
  text "PTH" at -27.497,26.293 h1
  text "Round" at -23.371,26.293 h1
  text "Top Copper - Bottom Layer" at -17.366,26.293 h1
  text "2" at 8.667,25.315 h1
  text "Signal Layer 1" at 12.851,25.315 h1
  text "1,40mil" at 28.205,25.315 h1
  text "3" at -41.949,24.224 h1
  text "41,34mil (1,050mm)" at -37.054,24.224 h1
  text "PTH" at -27.497,24.224 h1
  text "Slot" at -23.371,24.224 h1
  text "Top Copper - Bottom Layer" at -17.366,24.224 h1
  text "Core" at 12.851,23.315 h1
  text "Core-042" at 20.938,23.315 h1
  text "43,31mil" at 28.205,23.315 h1
  text "4.2" at 34.175,23.315 h1
  text "4" at -41.949,22.154 h1
  text "23,62mil (0,600mm)" at -37.054,22.154 h1
  text "PTH" at -27.497,22.154 h1
  text "Slot" at -23.371,22.154 h1
  text "Top Copper - Bottom Layer" at -17.366,22.154 h1
  text "3" at 8.667,21.315 h1
  text "Layer 1" at 12.851,21.315 h1
  text "1,40mil" at 28.205,21.315 h1
  text "4" at -41.949,20.084 h1
  text "118,11mil (3,000mm)" at -37.054,20.084 h1
  text "PTH" at -27.497,20.084 h1
  text "Round" at -23.371,20.084 h1
  text "Top Copper - Bottom Layer" at -17.366,20.084 h1
  text "Dielectric 2" at 12.851,19.315 h1
  text "PP-021" at 20.938,19.315 h1
  text "7,09mil" at 28.205,19.315 h1
  text "4.2" at 34.175,19.315 h1
  text "133" at -41.949,18.014 h1
  text "8,00mil (0,203mm)" at -37.054,18.014 h1
  text "PTH" at -27.497,18.014 h1
  text "Round" at -23.371,18.014 h1
  text "Top Copper - Bottom Layer" at -17.366,18.014 h1
  text "4" at 8.667,17.315 h1
  text "Bottom Layer" at 12.851,17.315 h1
  text "1,40mil" at 28.205,17.315 h1
  text "251" at -41.949,15.944 h1
  text "10,00mil (0,254mm)" at -37.054,15.944 h1
  text "PTH" at -27.497,15.944 h1
  text "Round" at -23.371,15.944 h1
  text "Top Copper - Bottom Layer" at -17.366,15.944 h1
  text "Bottom Solder" at 12.851,15.315 h1
  text "Solder Resist" at 20.938,15.315 h1
  text "0,71mil" at 28.205,15.315 h1
  text "4.2" at 34.175,15.315 h1
  text "402 Total" at -41.949,13.874 h1
  text "Bottom Overlay" at 12.851,13.315 h1
  text "Slot definitions :" at -46.648,12.425 h1
  text "Routed Path Length" at -39.836,12.425 h1
  text "= Calculated from tool start centre position to tool end centre position." at -31.395,12.425 h1
  text "Hole Length" at -39.836,11.597 h1
  text "= Routed Path Length + Tool Size = Slot length as defined in the PCB layout" at -34.529,11.597 h1
  text "Total board thickness:" at 8.667,11.315 h1
  text "64,50mil" at 28.205,11.315 h1

## Text inside footprints (layer, text, board x,y; h text height)
J3: Top Assembly "Board edge" at 36.4,-6.9 h0.5; Top Assembly "Flex edge" at 36.6,-8.3 h0.5; Bottom Assembly "Board edge" at 38.6,-6.9 h0.5; Bottom Assembly "Flex edge" at 38.4,-8.3 h0.5
J5: Top Overlay "1" at -13.411,4.85 h1 r270; Top Overlay "9" at -13.382,-2.287 h1 r270
J6: Top Overlay "9" at 5.478,-9.207 h1 r270; Top Overlay "1" at 5.449,-2.07 h1 r270
J7: Bottom Overlay "-" at -12.9,-38.125 h3 r270; Bottom Overlay "+" at -13.2,-30.825 h3 r270; Bottom Overlay "5V" at -14.91,-30.737 h3 r270
J9: Top Assembly "Flex edge" at -38.4,-8.3 h0.5; Top Assembly "Board edge" at -38.6,-6.9 h0.5; Bottom Assembly "Flex edge" at -36.6,-8.3 h0.5; Bottom Assembly "Board edge" at -36.4,-6.9 h0.5
MISC1: Bottom Assembly "BW1099 Module" at 9.939,-15.787 h2 r270
U5: Assembly Notes "Based on 0.125 thick stencil" at -0.85,-23.955 h0.5